# Altium PCB Kasli-DIOT.PCBDOC (part 8 of 21)
Units mm, origin at the board's own origin, x right, y up, seen from the top; angles counter-clockwise.
Board outline 222.34 x 100 mm, 10 copper layers (TopLayer, Layer 2, Layer 3, Layer 4, Layer 5, Layer 6, Layer 7, layer 8, Layer 9, BottomLayer), stack 1.564 mm thick; 974 components, 908 nets, 4662 pads, 2649 vias.
Unrouted connection lines stored in the file: 17.
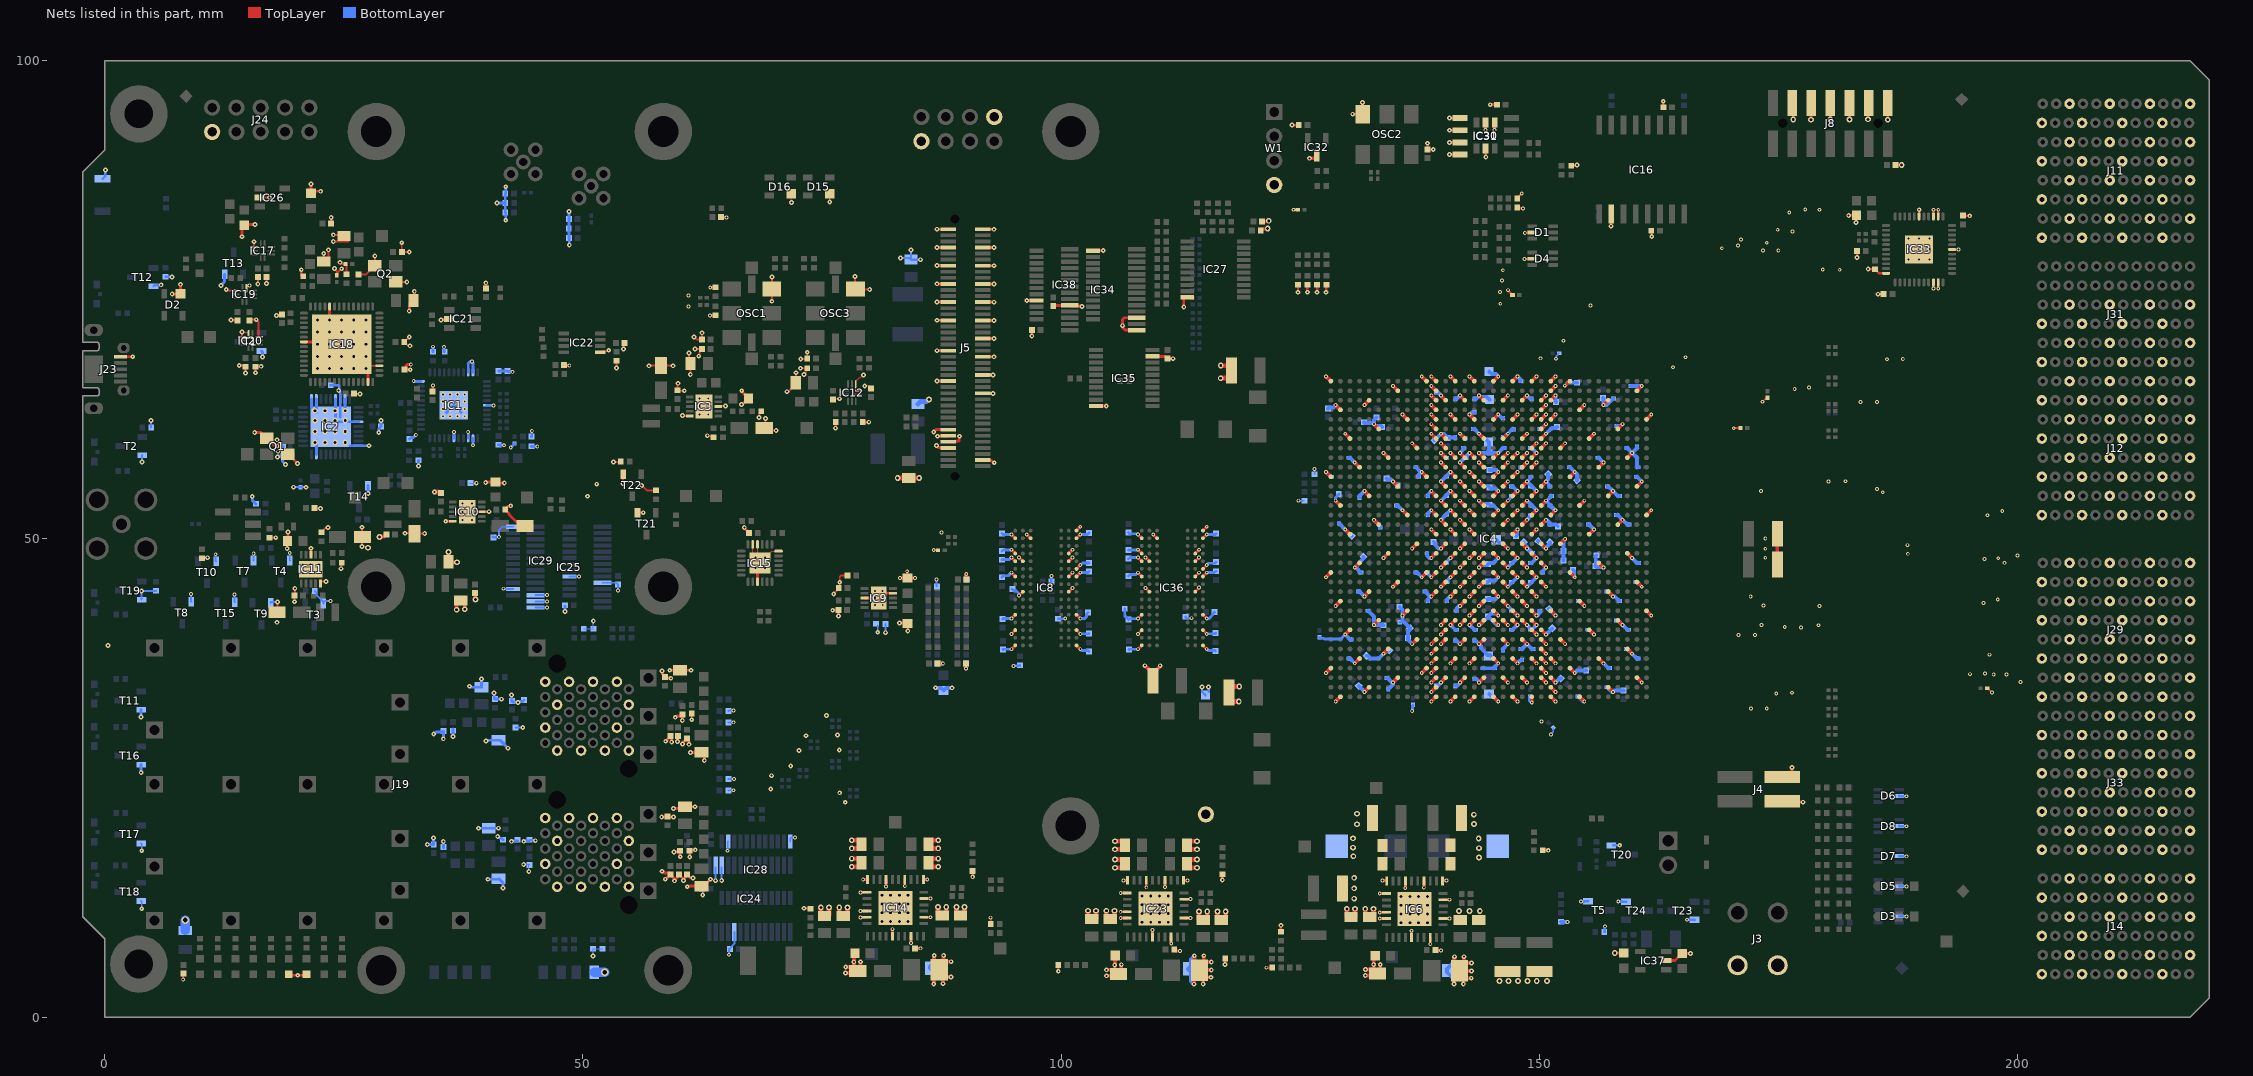
[diagram p16: the nets of this part, all layers, seen from the top]

## Via types
v1: diameter 0.4, hole 0.2, TopLayer to BottomLayer, tented both sides, 1661 vias
v2: diameter 0.5, hole 0.2, TopLayer to BottomLayer, tented both sides, 516 vias
v3: diameter 0.6, hole 0.3, TopLayer to BottomLayer, tented both sides, 175 vias
v4: diameter 0.6, hole 0.3, TopLayer to BottomLayer, 113 vias
v5: diameter 0.5, hole 0.2, TopLayer to BottomLayer, 110 vias
v6: diameter 0.4, hole 0.2, TopLayer to BottomLayer, 67 vias
v7: diameter 0.8, hole 0.5, TopLayer to BottomLayer, tented both sides, 7 vias

## Nets (pads, with @x,y where several pads share a name; then routed paths per layer and width w, separated by ;. In a path a pad name is that pad's centre, name@x,y a point inside that pad or via, vN(x,y) a via of type N, cw(c..) or ccw(c..) an arc to the next point about the centre after c; other vN are vias at no path point) (continued)
GND: C3.1 C9.2 C12.1 C13.2 C15.1 C16.1 C17.1 C18.1 C19.2 C22.1 C23.1 C24.1 C25.1 C26.1 C27.1 C28.1 C29.1 C30.2 C31.1 C32.2 C33.1 C34.1 C35.1 C36.1 C37.1 C38.1 C39.1 C40.1 C42.1 C43.1 C44.1 C45.2 C46.1 C47.1 C48.1 C49.1 C50.1 C52.1 C53.1 C55.1 C56.1 C57.1 C58.1 C59.1 C60.1 C61.1 C62.1 C64.1 C65.1 C66.1 C67.1 C68.1 C69.1 C75.1 C76.1 C78.1 C79.1 C80.1 C81.1 C82.1 C83.1 C84.1 C85.1 C86.1 C87.1 C88.1 C89.1 C90.1 C91.2 C92.1 C93.1 C94.1 C95.1 C96.1 C97.1 C98.1 C99.1 C101.1 C102.1 C103.1 C104.1 C105.1 C106.1 C107.1 C108.1 C109.1 C110.1 C111.1 C112.1 C113.1 C114.1 C115.1 C116.1 C117.1 C118.1 C119.1 C120.1 C121.1 C122.1 C123.1 C124.1 C125.1 C126.1 C127.1 C128.1 C129.1 C130.1 C131.1 C132.1 C133.1 C134.1 C135.1 C136.1 C137.1 C138.1 C139.1 C140.1 C143.1 C144.1 C145.1 C146.1 C147.1 C148.1 C149.1 C150.1 C151.1 C152.1 C153.1 C154.1 C155.1 C156.1 C158.1 C160.1 C161.1 C162.1 C163.1 C164.1 C165.1 C166.1 C167.1 C168.1 C169.1 C170.1 C171.1 C172.1 C173.1 C174.1 C175.1 C176.1 C177.1 C178.1 C179.1 C180.1 C181.1 C182.1 C183.1 C184.1 C185.1 C186.1 C187.1 C190.1 C191.1 C192.1 C193.1 C194.1 C195.1 C196.1 C197.1 C198.1 C199.1 C200.2 C201.2 C202.1 C203.2 C204.1 C205.1 C206.1 C207.1 C208.1 C209.1 C210.1 C211.1 C212.1 C213.1 C214.1 C215.1 C216.1 C217.1 C218.1 C219.1 C220.2 C221.1 C222.1 C223.1 C224.1 C225.2 C226.1 C227.1 C234.1 C235.1 C238.1 C239.1 C240.1 C241.1 C242.1 C243.1 C244.1 C245.2 C259.1 C260.1 C261.1 C262.1 C263.1 C264.1 C265.1 C266.1 C267.1 C268.1 C269.1 C270.1 C271.1 C272.1 C273.1 C274.1 C275.1 C276.1 C277.1 C278.1 C279.1 C280.1 C281.1 C286.2 C287.1 C288.1 C289.1 C290.1 C291.1 C292.1 C293.1 C295.2 C296.1 C297.2 C298.1 C299.1 C300.2 C301.1 C302.1 C303.1 C304.1 C305.1 C306.1 C307.1 C308.1 C309.1 C310.1 C311.1 C312.1 C313.1 C314.1 C315.1 C316.1 C317.1 C318.1 C319.1 C320.1 C321.1 C322.1 C323.1 C324.1 C325.1 C326.1 C327.1 C328.1 C329.1 C330.1 C331.1 C332.1 C333.1 C334.1 C335.1 C336.1 C337.1 C338.1 C340.1 C341.1 C342.1 C343.1 C344.1 C345.1 C346.2 C347.1 C348.1 C349.1 C350.1 C351.1 C352.1 C353.1 C354.1 C355.1 C356.1 C357.1 C358.1 C359.1 C360.1 C361.1 C362.2 C363.2 C364.2 C365.2 C366.1 C367.1 C368.1 C369.1 C370.1 C371.1 C372.1 C373.1 C374.1 C375.1 C376.1 C377.1 C378.1 C379.1 C380.1 C381.1 C382.1 C383.1 C384.1 C385.1 C386.1 C387.1 C388.1 C389.1 C390.1 C391.1 C396.2 C404.1 C406.1 C407.1 C408.1 C409.1 C412.1 C419.1 C420.1 C422.2 C423.1 C424.1 C425.1 C427.1 C428.1 C429.1 C430.1 C431.1 C432.1 C433.1 C451.1 C452.1 C453.1 C454.1 C455.1 C456.1 C457.1 C458.1 C459.1 C460.1 C461.1 C462.1 C463.1 C464.1 C465.1 C466.1 C467.1 C468.1 C469.1 C470.1 C471.1 C472.1 C473.1 C474.1 C475.1 C476.1 C477.1 C478.1 C480.1 C481.1 C482.1 C483.1 C484.1 C485.1 D1.2 D2.1 D3.2 D4.2 D5.2 D6.2 D7.2 D8.2 D15.1 D16.1 IC1.2 IC1.3 IC1.6 IC1.22 IC1.31 IC1.32 IC1.39 IC1.45 IC2.8 IC2.19 IC2.20 IC2.24 IC2.25 IC2.26 IC2.31 IC2.36 IC2.37 IC3.5 IC3.8 IC3.11 IC4.A1 IC4.A11 IC4.A12 IC4.A14 IC4.A16 IC4.A18 IC4.A20 IC4.A22 IC4.A24 IC4.A26 IC4.AA1 IC4.AA11 IC4.AA12 IC4.AA14 IC4.AA16 IC4.AA18 IC4.AA20 IC4.AA22 IC4.AA26 IC4.AB8 IC4.AB13 IC4.AB15 IC4.AB17 IC4.AB19 IC4.AB21 IC4.AB23 IC4.AB33 IC4.AC5 IC4.AC12 IC4.AC14 IC4.AC16 IC4.AC18 IC4.AC20 IC4.AC22 IC4.AC30 IC4.AD2 IC4.AD15 IC4.AD17 IC4.AD19 IC4.AD21 IC4.AD27 IC4.AE9 IC4.AE16 IC4.AE18 IC4.AE20 IC4.AE22 IC4.AE24 IC4.AE34 IC4.AF6 IC4.AF13 IC4.AF14 IC4.AF15 IC4.AF16 IC4.AF17 IC4.AF18 IC4.AF19 IC4.AF20 IC4.AF21 IC4.AF22 IC4.AF31 IC4.AG3 IC4.AG13 IC4.AG22 IC4.AG23 IC4.AG28 IC4.AH10 IC4.AH12 IC4.AH13 IC4.AH15 IC4.AH17 IC4.AH19 IC4.AH21 IC4.AH23 IC4.AH25 IC4.AJ7 IC4.AJ12 IC4.AJ23 IC4.AJ32 IC4.AK4 IC4.AK12 IC4.AK14 IC4.AK16 IC4.AK18 IC4.AK20 IC4.AK22 IC4.AK23 IC4.AK24 IC4.AK29 IC4.AL1 IC4.AL11 IC4.AL12 IC4.AL23 IC4.AL26 IC4.AM8 IC4.AM12 IC4.AM13 IC4.AM15 IC4.AM17 IC4.AM19 IC4.AM21 IC4.AM23 IC4.AM24 IC4.AM33 IC4.AN5 IC4.AN12 IC4.AN24 IC4.AN30 IC4.AP2 IC4.AP12 IC4.AP14 IC4.AP16 IC4.AP18 IC4.AP20 IC4.AP22 IC4.AP24 IC4.AP27 IC4.B8 IC4.B12 IC4.B24 IC4.B33 IC4.C5 IC4.C12 IC4.C13 IC4.C15 IC4.C17 IC4.C19 IC4.C21 IC4.C23 IC4.C24 IC4.C30 IC4.D2 IC4.D12 IC4.D23 IC4.D27 IC4.E9 IC4.E12 IC4.E14 IC4.E16 IC4.E18 IC4.E20 IC4.E22 IC4.E23 IC4.E24 IC4.E34 IC4.F6 IC4.F12 IC4.F23 IC4.F31 IC4.G3 IC4.G12 IC4.G13 IC4.G15 IC4.G17 IC4.G19 IC4.G21 IC4.G23 IC4.G28 IC4.H10 IC4.H13 IC4.H22 IC4.H23 IC4.H25 IC4.J7 IC4.J13 IC4.J14 IC4.J15 IC4.J16 IC4.J17 IC4.J18 IC4.J19 IC4.J20 IC4.J21 IC4.J22 IC4.J32 IC4.K4 IC4.K13 IC4.K15 IC4.K17 IC4.K19 IC4.K21 IC4.K22 IC4.K29 IC4.L1 IC4.L11 IC4.L14 IC4.L16 IC4.L18 IC4.L20 IC4.L26 IC4.M8 IC4.M13 IC4.M15 IC4.M17 IC4.M19 IC4.M21 IC4.M23 IC4.M33 IC4.N5 IC4.N12 IC4.N14 IC4.N16 IC4.N18 IC4.N20 IC4.N22 IC4.N30 IC4.P2 IC4.P13 IC4.P15 IC4.P17 IC4.P19 IC4.P21 IC4.P23 IC4.P27 IC4.R9 IC4.R12 IC4.R14 IC4.R16 IC4.R18 IC4.R20 IC4.R22 IC4.R24 IC4.R34 IC4.T6 IC4.T13 IC4.T15 IC4.T19 IC4.T21 IC4.T23 IC4.T31 IC4.U3 IC4.U12 IC4.U14 IC4.U16 IC4.U20 IC4.U22 IC4.U28 IC4.V10 IC4.V13 IC4.V15 IC4.V19 IC4.V21 IC4.V23 IC4.V25 IC4.W7 IC4.W12 IC4.W14 IC4.W16 IC4.W17 IC4.W18 IC4.W20 IC4.W22 IC4.W32 IC4.Y4 IC4.Y13 IC4.Y15 IC4.Y17 IC4.Y19 IC4.Y21 IC4.Y23 IC4.Y29 IC6.2 IC6.5 IC6.7 IC6.10 IC6.13 IC6.16 IC6.17 IC6.20 IC6.21 IC6.27 IC6.30 IC6.33 IC8.A9 IC8.B1 IC8.B3 IC8.B9 IC8.D1 IC8.D8 IC8.E1 IC8.E2 IC8.E8 IC8.F9 IC8.G1 IC8.G8 IC8.G9 IC8.J2 IC8.J8 IC8.M1 IC8.M9 IC8.P1 IC8.P9 IC8.T1 IC8.T9 IC9.4 IC9.8 IC9.11 IC10.5 IC10.8 IC10.11 IC11.5 IC11.8 IC11.11 IC12.2 IC12.3 IC14.2 IC14.5 IC14.7 IC14.10 IC14.13 IC14.16 IC14.17 IC14.20 IC14.21 IC14.27 IC14.30 IC14.33 IC15.9 IC15.18 IC15.22 IC15.23 IC15.25 IC16.10 IC17.3 IC18.10 IC18.21 IC18.41 IC18.45 IC18.57 IC19.1 IC19.3 IC20.2 IC20.3 IC20.10 IC21.2 IC22.1 IC23.2 IC23.5 IC23.7 IC23.10 IC23.13 IC23.16 IC23.17 IC23.20 IC23.21 IC23.27 IC23.30 IC23.33 IC24.10 IC24.16 IC24.17 IC25.10 IC25.15 IC25.16 IC25.17 IC26.2 IC27.10 IC28.2 IC28.12 IC29.2 IC29.12 IC29.21 IC30.2 IC30.4 IC30.5 IC31.1 IC31.2 IC31.3 IC31.4 IC32.3 IC33.2 IC33.3 IC33.6 IC33.22 IC33.31 IC33.32 IC33.39 IC33.45 IC34.10 IC34.15 IC34.17 IC35.10 IC35.19 IC36.A9 IC36.B1 IC36.B3 IC36.B9 IC36.D1 IC36.D8 IC36.E1 IC36.E2 IC36.E8 IC36.F9 IC36.G1 IC36.G8 IC36.G9 IC36.J2 IC36.J8 IC36.M1 IC36.M9 IC36.P1 IC36.P9 IC36.T1 IC36.T9 IC37.2 IC38.12 IC38.21 J3.1 J3.2 J4.2 J4.4 J5.1 J5.2 J5.7 J5.8 J5.13 J5.14 J5.19 J5.20 J5.25 J5.26 J5.31 J5.32 J5.37 J5.42 J5.43 J5.49 J5.52 J5.55 J5.68 J5.70 J5.72 J5.74 J5.77 J8.1 J8.3 J8.5 J8.7 J8.9 J8.11 J11.A2 J11.A4 J11.A6 J11.A8 J11.C1 J11.C3 J11.C5 J11.C7 J11.D2 J11.D4 J11.D6 J11.D8 J11.F1 J11.F3 J11.F5 J11.F7 J11.G2 J11.G4 J11.G6 J11.G8 J11.I1 J11.I3 J11.I5 J11.I7 J11.J2 J11.J4 J11.J6 J11.J8 J11.L1 J11.L3 J11.L5 J11.L7 J12.A2 J12.A4 J12.A6 J12.A8 J12.C1 J12.C3 J12.C5 J12.C7 J12.D2 J12.D4 J12.D6 J12.D8 J12.F1 J12.F3 J12.F5 J12.F7 J12.G2 J12.G4 J12.G6 J12.G8 J12.I1 J12.I3 J12.I5 J12.I7 J12.J2 J12.J4 J12.J6 J12.J8 J12.L1 J12.L3 J12.L5 J12.L7 J14.A2 J14.A4 J14.A6 J14.C1 J14.C5 J14.D2 J14.D4 J14.D6 J14.F1 J14.F5 J14.G2 J14.G4 J14.G6 J14.I1 J14.I3 J14.I5 J14.J2 J14.J4 J14.J6 J14.L1 J14.L3 J14.L5 J19.LB1 J19.LB10 J19.LB11 J19.LB14 J19.LB17 J19.LB20 J19.LT1 J19.LT10 J19.LT11 J19.LT14 J19.LT17 J19.LT20 J19.RB1 J19.RB10 J19.RB11 J19.RB14 J19.RB17 J19.RB20 J19.RT1 J19.RT10 J19.RT11 J19.RT14 J19.RT17 J19.RT20 J23.5 J24.10 J29.A2 J29.A4 J29.A6 J29.A8 J29.C1 J29.C3 J29.C5 J29.C7 J29.D2 J29.D4 J29.D6 J29.D8 J29.F1 J29.F3 J29.F5 J29.F7 J29.G2 J29.G4 J29.G6 J29.G8 J29.I1 J29.I3 J29.I5 J29.I7 J29.J2 J29.J4 J29.J6 J29.J8 J29.L1 J29.L3 J29.L5 J29.L7 J31.A2 J31.A4 J31.C1 J31.C3 J31.D2 J31.D4 J31.F1 J31.F3 J31.G2 J31.G4 J31.I1 J31.I3 J31.J2 J31.J4 J31.L1 J31.L3 J33.A2 J33.A4 J33.A6 J33.A8 J33.C1 J33.C3 J33.C5 J33.C7 J33.D2 J33.D4 J33.D6 J33.D8 J33.F1 J33.F3 J33.F5 J33.F7 J33.G2 J33.G4 J33.G6 J33.G8 J33.I1 J33.I3 J33.I5 J33.I7 J33.J2 J33.J4 J33.J6 J33.L1 J33.L3 J33.L5 J33.L7 L5.1 LD9.1 LD10.1 OSC1.3 OSC2.3 OSC3.3 Q1.2 Q1.4 Q2.2 Q2.4 R2.1 R7.2 R8.2 R9.1 R13.1 R17.1 R18.1 R19.1 R23.1 R24.1 R25.1 R26.1 R28.1 R29.1 R30.1 R32.1 R33.1 R37.1 R43.1 R45.1 R46.1 R47.1 R60.1 R64.1 R68.2 R70.2 R99.1 R100.1 R125.2 R129.1 R130.1 R140.1 R141.1 R153.1 R154.2 R155.1 R157.1 R166.1 R167.1 R168.1 R169.1 R172.1 R173.1 R193.1 R199.1 R201.1 R208.1 R211.1 R213.1 R214.1 R215.1 R222.1 R223.1 R227.1 R243.1 R246.1 R247.1 R251.1 R252.2 R255.1 R256.2 R261.1 R304.1 R305.1 SW1.2 T1.2 T2.2 T3.2 T4.2 T5.2 T7.2 T8.2 T9.2 T10.2 T11.2 T12.2 T13.2 T14.2 T15.2 T16.2 T17.2 T18.2 T19.2 T20.2 T21.2 T22.2 T23.2 T24.2 TP28.1 TP33.1 TP35.1 W1.4 | length 961.4
  TopLayer w0.095: C296.1@21.925,53.173 21.943,53.191 v2(22.553,53.191)
  TopLayer w0.125: v2(14.34,71.635) 15.01,71.635 15.04,71.605 IC20.2@15.04,71.439 ; R13.1@17.221,50.133 R13.1@17.221,50.133 ; IC15.23@67.75,49.429 67.75,48.229 68.25,47.729 IC15.25@68.5,47.479 69.75,48.729 IC15.18@70.45,48.729 ; v2(71.8,85.175) D16.1@71.8,86.1 ; v2(75.8,85.225) D15.1@75.8,86.1 ; C29.1@76.125,64.7 76.164,64.661 v2(76.834,64.661) ; IC12.2@78.839,65.514 IC12.2@78.825,65.5 78.574,65.5 78.539,65.535 78.539,66.186 IC12.3@78.525,66.2 78.525,66.5 78.866,66.841 79.016,66.841 v2(79.325,67.15) ; v2(79.464,66.003) 79.469,65.997 79.999,65.997 C28.1@80.236,65.761
  TopLayer w0.127: IC15.25@68.25,47.729 IC15.22@68.25,49.429
  TopLayer w0.15: IC19.3@13.705,75.965 IC19.3@13.978,75.965 ; IC19.1@14.805,76.215 14.805,76.472 14.828,76.495 15.145,76.495 v6(15.15,76.5)
  TopLayer w0.2: v1(8.2,3.95) 8.2,4.525 C396.2@8.225,4.55 ; v2(12.7,76.075) 12.81,75.965 IC19.3@13.705,75.965 ; v2(14.065,68.14) 14.595,68.14 C218.1@14.732,68.003 14.702,67.973 v2(14.702,67.347) ; IC20.3@14.34,71.139 v2(14.34,71.635) ; C215.1@15.113,72.929 v2(15.844,72.929) 16.075,72.698 16.075,71.204 IC20.10@16.14,71.139 ; IC17.3@15.6,80.547 v2(15.6,81.075) ; v2(15.752,67.381) 15.752,68.051 15.754,68.05 v2(16.353,68.05) ; v2(16.002,76.663) C217.1@16.002,77.501 ; IC26.2@16.2,85.7 v2(17.225,85.7) ; v2(16.922,76.712) C293.1@16.922,77.405 ; R13.1@17.221,50.133 v2(17.875,50.135) ; C13.2@18,42.337 18.05,42.387 v2(18.05,43.412) ; v2(19.85,43.437) C15.1@19.85,44.087 19.875,44.112 v2(19.875,44.812) ; C211.1@22.331,79.18 22.9,79.18 v2(22.9,79.85) ; IC11.5@22.55,45.337 22.6,45.387 22.6,45.545 v2(23.127,45.545) ; R25.1@22.67,50.695 23.122,51.147 23.295,51.147 v2(23.353,51.204) ; C211.1@23.4,78.937 v2(23.4,80.232) ; v2(23.9,81.1) 25.491,81.1 24.791,81.8 v2(23.9,81.8) ; v2(24.025,78.275) 24.025,78.24 24.257,78.008 ; v2(24.583,78.923) 24.765,78.74 C210.1@25.177,78.74 ; v2(24.711,46.892) 24.742,46.924 R252.2@24.742,47.484 ; v2(24.775,78.25) 24.491,77.966 ; R199.1@25.273,77.686 C210.1@25.273,78.644 ; C409.1@25.85,65.1 25.9,65.15 v2(26.675,65.15) ; C208.1@26.543,77.666 27.329,77.666 Q2.2@28.237,78.574 v2(28.237,79.586) ; v2(26.9,49.225) 26.9,50.175 C45.2@26.95,50.225 26.9,50.275 v2(26.9,51.225) ; IC18.57@27.015,68.108 IC18.45@28.715,68.108 IC18.45@28.715,68.158 ; Q2.4@30.437,76.874 v2(31.584,76.874) ; v2(31.057,80.968) C207.1@31.057,80.01 v2(31.835,80.01) ; v2(31.4,50.6) 32.35,50.6 C225.2@32.4,50.55 32.425,50.575 v2(33.45,50.575) ; v2(31.836,71.112) 31.811,71.112 C222.1@31.311,70.612 31.673,70.25 31.854,70.25 v2(31.912,70.193) ; v2@39.806,76.819 v2(39.841,76.784) ; C216.1@40.03,76.34 C216.1@40.045,76.325 ; IC22.1@51.8,69.525 51.9,69.625 52.484,69.625 52.664,69.805 v2@52.746,69.805 ; v2(53.2,58.05) 53.88,58.05 R46.1@53.93,58.1 ; v2(53.5,67.875) R208.1@53.5,68.63 ; v2(54.2,55.8) T22.2@54.2,56.75 ; v2(54.25,69.875) C221.1@54.25,70.5 ; T21.2@55.7,52.75 v2(56.3,52.75) ; v2(56.15,55.6) 56.679,55.07 R33.1@57.65,55.07 ; v2(56.9,68.1) 56.95,68.15 C9.2@58.15,68.15 59.35,68.15 v2(59.4,68.1) ; v2(59.925,66.275) 59.905,66.255 59.905,65.555 C12.1@59.9,65.55 59.95,65.5 v2(60.6,65.5) ; v2(60.4,62.9) 60.425,62.875 61.125,62.875 IC3.5@61.15,62.85 ; v2(61.075,69.45) 61.08,69.445 61.08,68.52 C288.1@61.25,68.35 61.25,67.225 v2(61.225,67.2) ; v5(61.375,31.1) C276.1@61.374,31.743 ; v2(61.608,71.111) 61.614,71.111 61.875,70.85 C226.1@62.45,70.85 v2(62.45,71.55) ; v2(61.725,69.85) C287.1@62.45,69.85 62.24,69.64 62.24,69.563 62.2,69.523 62.2,69.378 62.165,69.343 62.165,69.168 v2(62.108,69.111) ; v2(63,60.8) 63.057,60.742 63.538,60.742 R251.1@63.65,60.63 ; IC3.8@64.15,63.85 64.175,63.875 64.875,63.875 v2(64.9,63.9) ; v2(68.4,62.7) 68.457,62.757 68.457,63.187 R28.1@68.62,63.35 ; v2(69.1,62.6) 69.1,61.75 C19.2@68.95,61.6 69.2,61.35 v2(70.2,61.35) ; v2(69.75,74.85) OSC1.3@69.75,76.14 69.75,77.375 v2(69.775,77.4) ; v2(71.325,65.4) 71.475,65.4 71.825,65.75 71.825,65.789 C289.1@72.025,65.989 ; v2(72.275,67.375) 72.275,66.375 C289.1@72.25,66.35 ; C289.1@72.666,65.834 72.511,65.989 C289.1@72.025,65.989 ; v2(72.75,67.85) C290.1@73.45,67.85 73.3,67.7 73.3,67.458 73.108,67.267 v2(73.108,67.186) ; v2(72.775,68.825) 73.425,68.825 C291.1@73.45,68.85 v2(73.45,69.525) ; v5(73.125,11.384) 73.155,11.355 73.748,11.355 R64.1@73.777,11.325 ; v2(76.107,42.545) 76.69,42.545 C172.1@76.719,42.575 v2(76.72,41.956) ; v2(76.219,44.25) 76.844,44.875 v2(76.844,45.475) 76.844,46.044 76.975,46.175 C162.1@77.675,46.175 ; v2(78.45,77.45) 78.45,76.165 78.5,76.115 78.521,76.136 78.582,76.075 v2(79.975,76.075) ; v6(86.68,48.842) 86.689,48.834 87.116,48.834 C422.2@87.125,48.825 ; C477.1@90.075,45.777 C477.1@90.09,45.762 ; v6(92.625,10.4) 92.64,10.385 92.64,9.765 R157.1@92.655,9.75 ; v2(124.75,75.8) 124.75,76.575 cw(c124.785,76.575) R166.1@124.76,76.6 ; v2(138.3,91.375) 138.3,90.738 C238.1@138.305,90.733 138.313,90.725 v2(138.9,90.725) ; v6(148.45,79.275) 148.462,79.287 149.237,79.287 D4.2@149.25,79.3 ; v6(148.475,82) 148.5,82.025 149.225,82.025 D1.2@149.25,82.05 ; v1(170.325,61.575) cw(c170.385,61.515) 170.385,61.6 C297.2@171.025,61.6 ; v1(173.323,64.347) 173.647,64.671 cw(c173.842,64.476) C300.2@173.842,64.752 ; C295.2@196.825,34.4 196.85,34.4 197.294,33.956 v1(197.339,33.956) ; 24.257,78.008 24.299,77.966 24.491,77.966 ; 24.257,78.008 C212.1@24.257,77.566 24.357,77.666 24.357,77.832 24.491,77.966 ; C289.1@72.025,65.989 72.25,66.214 C289.1@72.25,66.35 ; C289.1@72.025,65.989 71.889,65.989 C289.1@72.25,66.35
  TopLayer w0.22: IC8.A9@101.597,50.875 IC8.A9@101.6,50.875 ; IC36.A9@114.822,50.875 IC36.A9@114.825,50.875
  TopLayer w0.254: v2(13.2,72.886) 13.23,72.855 13.845,72.855 C219.1@13.875,72.825 ; C213.1@23.675,83 v5(23.675,83.6) ; C53.1@64.445,83.645 64.455,83.635 64.99,83.635 v1(65,83.625) ; v2(76.418,61.582) 76.43,61.595 R246.1@76.43,62.225 R246.1@76.443,62.237 ; R247.1@79.233,62.237 R247.1@79.245,62.225 79.875,62.225 v2(79.888,62.212) ; R47.1@90.725,15.285 90.738,15.272 90.738,14.687 v2(90.75,14.675) ; v2(99.7,4.8) 99.707,4.807 99.707,5.439 R60.1@99.715,5.446 ; v2(117.125,5.5) 117.142,5.517 117.142,6.108 R153.1@117.16,6.126 ; v1(121.45,5.175) R18.1@122.055,5.175 ; v2(122.975,9.6) 122.981,9.594 122.981,8.931 R37.1@122.986,8.925 ; v5(124.124,93.279) 124.133,93.27 124.831,93.27 C196.1@124.84,93.262 ; v2(125.75,75.8) 125.75,76.575 cw(c125.785,76.575) 125.755,76.593 cw(c125.785,76.575) R167.1@125.76,76.6 ; v2(126.75,75.8) ccw(c126.725,75.825) 126.76,75.825 R168.1@126.76,76.6 ; v2(127.702,75.8) 127.702,76.46 cw(c127.901,76.46) 127.731,76.563 cw(c127.901,76.46) R169.1@127.76,76.6 ; v2(140.6,90.2) 141.695,90.2 IC31.4@141.7,90.195 ; v2(140.603,91.468) 141.698,91.468 IC31.3@141.7,91.465 IC31.3@141.703,91.463 ; v2(140.603,92.738) 141.698,92.738 IC31.2@141.7,92.735 IC31.2@141.703,92.733 ; v2(140.603,94.008) 141.698,94.008 IC31.1@141.7,94.005 IC31.1@141.703,94.003 ; IC30.2@144.375,90.825 144.387,90.813 144.387,89.942 v2(144.398,89.93) ; v1(146.708,76.011) ccw(c146.759,76.011) 146.723,75.975 C203.2@147.2,75.498 ; R172.1@147.675,84.643 147.74,84.578 148.272,84.578 v1(148.3,84.55) ; R173.1@147.675,85.618 147.675,85.638 148.154,86.118 v1(148.156,86.118) ; R43.1@153.333,89.015 153.357,89.04 153.825,89.04 v2@153.85,89.065 ; v2(157.488,82.705) 157.5,82.718 157.5,83.4 IC16.10@157.509,83.409 ; C204.1@161.7,82.225 161.725,82.2 161.725,81.65 v5(161.75,81.625) ; v2(162.953,95.763) 162.955,95.761 162.955,95.138 C161.1@162.956,95.136 ; v2(182.337,83.825) 183.125,83.825 C406.1@183.15,83.85 183.116,83.816 v2(183.116,83.087) ; v2(183.213,79.43) 183.225,79.443 C404.1@183.225,80.125 C404.1@183.234,80.134 ; v2(184.38,78.212) 184.393,78.2 C408.1@185.075,78.2 185.491,77.784 186.241,77.784 IC33.22@186.25,77.775 ; v2(185.396,75.595) 185.411,75.61 185.965,75.61 R155.1@185.98,75.625 ; IC33.6@189.691,83.716 IC33.6@189.7,83.725 189.7,84.407 v2(189.712,84.42) ; IC33.3@191.191,83.716 IC33.3@191.2,83.725 191.2,84.407 v1(191.212,84.42) ; IC33.31@191.2,76.825 IC33.31@191.2,76.825 191.201,76.184 v1(191.202,76.183) ; IC33.2@191.691,83.716 IC33.2@191.7,83.725 191.7,84.407 v1(191.712,84.42) ; IC33.32@191.7,76.825 191.702,76.823 v1(191.702,76.183) ; IC33.39@193.15,80.275 193.157,80.268 193.813,80.268 v1(193.82,80.26) ; C407.1@194.291,83.809 C407.1@194.3,83.8 194.982,83.8 v2(194.995,83.788)
  TopLayer w0.3: J23.5@1.804,69.05 v2(2.925,69.05) ; v2(7.052,75.623) D2.1@7.922,75.623 v5(7.922,76.625) ; R214.1@10.173,48.005 10.191,48.023 10.729,48.023 v2(10.747,48.041) ; v2(14.35,81.6) 14.35,82.475 14.575,82.7 C202.1@14.6,82.7 ; C202.1@14.6,82.875 v2(15.7,82.875) ; v2@15.675,61.13 v2(15.675,61.125) 16.349,61.125 Q1.2@16.934,60.54 17.784,59.69 ; v2(17.95,73.375) C223.1@18.542,73.375 ; 18.284,59.69 Q1.4@19.134,58.84 19.21,58.84 v2(20.15,57.9) ; v2(19.075,49) 19.075,49.75 C17.1@19.125,49.8 19.146,49.821 v2(19.146,50.72) ; LD10.1@19.177,4.382 v2(20.182,4.382) LD9.1@21.04,4.382 ; v2(20.55,78.15) 20.55,77.659 R201.1@20.739,77.47 ; IC18.21@20.815,70.608 IC18.57@24.515,70.608 ; IC11.8@21.55,48.337 v5(21.55,49.025) ; v2(21.575,87.1) 21.575,86.22 21.704,86.35 v2(22.575,86.35) ; IC18.57@23.515,71.608 IC18.10@23.515,74.308 ; IC18.41@27.515,66.408 IC18.57@27.515,67.608 ; v2(31.826,73.847) 31.864,73.885 31.864,74.314 31.894,74.344 31.894,74.555 C206.1@32.269,74.93 ; v2(31.938,67.691) 31.921,67.708 31.342,67.708 C224.1@31.325,67.725 31.485,67.885 31.485,68.122 31.592,68.229 31.981,68.229 v1(32,68.248) ; C206.1@32.169,74.93 32.371,75.132 v2(32.371,75.891) ; C49.1@34.125,65.45 34.149,65.45 34.299,65.6 34.299,66.014 v1(34.318,66.033) ; v2(35.15,72.898) 35.188,72.936 35.936,72.936 IC21.2@36,73 ; v2(35.65,51.85) IC10.5@36.4,51.85 ; IC10.8@39.4,52.85 40.182,52.85 v2(40.188,52.856) ; v2(39.841,76.784) 39.86,76.765 39.86,76.219 C216.1@39.879,76.2 ; v2@39.879,55.9 39.954,55.975 C279.1@40.85,55.975 40.975,55.85 v2(41.775,55.85) ; v2(42.45,53.463) 42.412,53.424 42.174,53.424 41.87,53.12 R255.1@41.87,53.1 41.87,53.08 42.273,52.677 42.273,52.557 43.005,51.825 43.475,51.825 C286.2@43.95,51.35 ; C220.2@48.032,68.183 48.071,68.144 48.556,68.144 v1(48.575,68.125) ; v2(58.227,20.929) 58.245,20.947 58.852,20.947 58.855,20.95 58.858,20.946 59.442,20.946 v2(59.461,20.928) ; v2(58.251,36.189) 58.289,36.151 58.289,35.911 58.44,35.76 58.44,35.685 58.656,35.469 59.153,35.469 v2(59.188,35.434) ; v2(58.267,15.258) 58.304,15.258 58.502,15.06 58.99,15.06 59.1,14.95 59.1,14.85 58.715,14.465 58.642,14.465 v2(58.604,14.426) ; v2(58.65,28.85) 59.145,29.345 59.145,29.495 59.15,29.5 59.15,29.475 59.275,29.35 v2(59.275,28.775) ; v2(59.075,36.275) 60.125,36.275 C264.1@60.15,36.25 60.175,36.275 v2(61.3,36.275) ; C277.1@59.15,14.9 59.525,14.525 59.525,14.297 v2(59.563,14.259) 59.563,14.313 59.885,14.635 C281.1@59.885,14.907 ; v2(59.475,21.825) 60.475,21.825 C280.1@60.65,22 v2(61.7,22) ; v2(59.533,17.283) 59.571,17.322 60.072,17.322 C244.1@60.15,17.4 60.163,17.387 60.163,16.788 v2(60.175,16.775) ; v2(59.65,31.35) 59.704,31.35 59.844,31.49 60.24,31.49 C259.1@60.4,31.65 60.4,31.025 v2(60.392,31.017) ; v2(59.875,28.825) 59.9,28.85 C263.1@59.9,29.5 ; C281.1@60.045,14.907 60.463,14.489 60.463,14.314 v2(60.502,14.275) ; v2(60.4,28.55) 60.438,28.588 60.438,28.688 C261.1@60.9,29.15 61.06,28.99 61.06,28.88 61.1,28.84 v2(61.1,28.525) ; v2@60.54,14.475 60.9,14.835 C275.1@60.9,14.9 61.212,14.588 61.462,14.588 v2(61.5,14.55) ; v2(60.908,13.633) 60.962,13.633 61.029,13.7 C274.1@62.4,13.7 62.6,13.7 v2(63.325,14.425) ; v2(61.169,16.755) 61.159,16.764 61.159,17.366 61.253,17.46 61.703,17.46 v2(61.742,17.498) ; v2(61.25,27.675) 61.259,27.684 62.384,27.684 C260.1@62.4,27.7 62.689,27.411 v2(62.689,26.844) ; v1(63.284,73.365) 63.303,73.384 63.833,73.384 R304.1@63.854,73.405 ; v1(63.311,76.298) 63.33,76.317 R305.1@63.86,76.317 R305.1@63.881,76.338 ; v2(66.575,64.06) 66.613,64.098 66.698,64.098 66.925,64.325 66.975,64.325 C16.1@67.3,64.65 ; v2(66.6,65.5) 66.638,65.461 66.638,65.362 66.925,65.075 66.975,65.075 C16.1@67.3,64.75 ; v2(66.869,51.2) 66.869,51.151 C198.1@67.378,50.642 ; IC15.9@68.25,45.529 IC15.25@68.25,47.229 ; v1(79.022,10.434) 79.03,10.442 IC14.21@79.712,10.442 ; v1(79.022,11.092) 79.03,11.1 IC14.20@79.712,11.1 ; v1(79.022,13.05) 79.03,13.058 IC14.17@79.712,13.058 ; v1(79.3,14.4) 79.75,14.4 IC14.16@79.75,14.388 ; IC9.8@79.419,43.825 v5(80.519,43.825) IC9.11@80.919,43.825 ; IC9.11@81.419,44.325 IC9.4@82.419,44.325 ; v1(81.7,13.675) IC14.13@81.7,14.388 ; IC14.27@82.35,8.463 v1(82.35,9.2) ; v2(83.11,41.217) 83.88,41.217 83.97,41.127 v2(83.97,40.364) ; v1(83.144,45.925) C174.1@83.7,45.925 ; v1(83.65,13.7) IC14.10@83.65,14.388 ; C174.1@83.9,46.067 v1(83.9,46.624) ; C174.1@84.165,45.911 v1(84.722,45.911) ; IC14.30@84.3,8.463 84.3,7.78 v1(84.308,7.772) ; C366.1@84.725,7.175 84.738,7.188 85.288,7.188 v1(85.3,7.2) ; IC14.7@85.6,14.388 85.6,14.4 v1(86,14.4) ; IC14.2@85.637,10.442 86.32,10.442 v1(86.328,10.45) ; IC14.5@85.637,12.408 86.32,12.408 v1(86.328,12.416) ; v2(86.68,61.19) 86.917,61.427 J5.68@88.2,61.427 ; v2(86.975,59.766) 86.975,59.746 87.149,59.572 88.15,59.572 J5.74@88.2,59.522 ; v5(87.025,66.515) 87.029,66.511 88.196,66.511 J5.52@88.2,66.507 ; v5(87.025,69.69) 87.029,69.686 88.196,69.686 J5.42@88.2,69.682 ; v5(87.025,72.865) 87.029,72.861 88.196,72.861 J5.32@88.2,72.857 ; v5(87.025,74.77) 87.029,74.766 88.196,74.766 J5.26@88.2,74.762 ; v5(87.025,76.675) 87.029,76.671 88.196,76.671 J5.20@88.2,76.667 ; v5(87.025,78.58) 87.029,78.576 88.196,78.576 J5.14@88.2,78.572 ; v5(87.025,80.485) 87.029,80.481 88.196,80.481 J5.8@88.2,80.477 ; v5(87.025,82.39) 87.029,82.386 88.196,82.386 J5.2@88.2,82.382 ; v2(87.066,60.743) 87.09,60.768 88.175,60.768 J5.70@88.2,60.792 ; J5.72@88.2,60.157 88.25,60.207 88.982,60.207 89.026,60.251 89.295,60.251 89.337,60.293 89.337,60.705 v2(89.375,60.743) ; J5.43@91.796,69.051 J5.43@91.8,69.047 92.968,69.047 v5(92.971,69.044) ; J5.37@91.796,70.956 J5.37@91.8,70.952 92.968,70.952 v5(92.971,70.949) ; J5.31@91.796,72.861 J5.31@91.8,72.857 92.968,72.857 v5(92.971,72.854) ; J5.25@91.796,74.766 J5.25@91.8,74.762 92.968,74.762 v5(92.971,74.759) ; J5.19@91.796,76.671 J5.19@91.8,76.667 92.968,76.667 v5(92.971,76.664) ; J5.13@91.796,78.576 J5.13@91.8,78.572 92.968,78.572 v5(92.971,78.569) ; J5.7@91.796,80.481 J5.7@91.8,80.477 92.968,80.477 v5(92.971,80.474) ; J5.77@91.8,58.252 91.85,58.202 92.709,58.202 92.946,57.966 v2(93,57.966) ; J5.1@91.8,82.382 91.804,82.379 92.971,82.379 v5(92.975,82.375) ; J5.55@91.804,65.234 91.81,65.227 92.87,65.227 v5(92.88,65.217) ; J5.49@91.804,67.139 92.873,67.139 v5(92.876,67.136) ; v1(94.8,46.472) IC8.G1@95.2,46.072 ; v1(94.8,48.072) IC8.E1@95.2,47.672 ; v1(94.8,48.872) IC8.D1@95.2,48.472 ; v1(94.8,50.472) IC8.B1@95.2,50.072 ; v1(94.803,38.475) IC8.T1@95.203,38.875 ; v1(94.803,40.075) IC8.P1@95.203,40.475 ; v1(94.803,41.675) IC8.M1@95.203,42.075 ; v1(95.6,48.072) IC8.E2@96,47.672 ; v1(95.603,44.075) IC8.J2@96.003,44.475 ; v1(96.4,50.472) IC8.B3@96.8,50.072 ; v2(96.4,74.936) IC38.21@97.436,74.936 ; C192.1@96.931,71.852 C192.1@96.931,71.852 96.932,71.216 v2(96.933,71.215) ; C427.1@99.174,74.363 99.21,74.399 100.85,74.399 IC34.10@100.886,74.436 100.961,74.361 102.058,74.361 102.118,74.301 v2(102.172,74.301) ; IC8.G8@100.797,46.075 v1(101.197,46.475) ; IC8.E8@100.797,47.675 v1(101.197,48.075) ; IC8.D8@100.797,48.475 v1(101.197,48.875) ; IC8.J8@100.8,44.475 v1(101.2,44.875) ; IC8.G9@101.597,46.075 v1(101.997,46.475) ; IC8.F9@101.597,46.875 v1(101.997,47.275) ; IC8.B9@101.597,50.075 v1(101.997,50.475) ; IC8.A9@101.597,50.875 v1(101.997,51.275) ; IC8.T9@101.6,38.878 v1(102,38.478) ; IC8.P9@101.6,40.478 v1(102,40.078) ; IC8.M9@101.6,42.078 v1(102,41.678) ; IC38.12@103.336,80.136 103.346,80.145 104.386,80.145 v2(104.396,80.155) ; IC35.10@103.65,63.904 v2(104.709,63.904) ; v1(106.222,10.359) 106.23,10.367 IC23.21@106.913,10.367 ; v1(106.222,11.017) 106.23,11.025 IC23.20@106.913,11.025 ; v1(106.222,12.975) 106.23,12.983 IC23.17@106.913,12.983 ; v2(106.4,72.3) 106.438,72.261 106.438,72.093 106.676,71.855 IC34.15@107.867,71.855 ; v2(106.4,72.3) 106.4,72.96 106.576,73.136 IC34.17@107.886,73.136 ; v1(106.5,14.3) 106.95,14.3 IC23.16@106.95,14.313 ; v1(108.025,46.472) IC36.G1@108.425,46.072 ; v1(108.025,48.072) IC36.E1@108.425,47.672 ; v1(108.025,48.872) IC36.D1@108.425,48.472 ; v1(108.025,50.472) IC36.B1@108.425,50.072 ; v1(108.028,38.475) IC36.T1@108.428,38.875 ; v1(108.028,40.075) IC36.P1@108.428,40.475 ; v1(108.028,41.675) IC36.M1@108.428,42.075 ; v1(108.825,44.872) IC36.J2@109.225,44.472 ; v1(108.825,48.072) IC36.E2@109.225,47.672 ; IC23.13@108.9,14.313 108.9,13.578 v1(108.902,13.575) ; IC23.27@109.55,8.387 v1(109.55,9.1) ; IC35.19@109.55,69.104 109.593,69.061 110.893,69.061 C186.1@111.101,68.853 v2(111.7,68.853) ; v1(109.625,50.472) IC36.B3@110.025,50.072 ; v1(110.844,13.598) 110.85,13.604 IC23.10@110.85,14.313 ; IC23.30@111.5,8.387 111.5,7.705 v1(111.508,7.697) ; C367.1@111.825,7.075 111.969,6.931 112.4,6.931 v1(112.419,6.912) ; IC23.7@112.8,14.313 112.8,14.3 v1(113.2,14.3) ; v2@112.812,74.269 112.812,75.186 112.887,75.261 IC27.10@113.186,75.261 ; IC23.2@112.838,10.367 113.52,10.367 v1(113.528,10.375) ; IC23.5@112.838,12.333 113.52,12.333 v1(113.528,12.341) ; IC36.G8@114.022,46.075 v1(114.422,46.475) ; IC36.E8@114.022,47.675 v1(114.422,48.075) ; IC36.D8@114.022,48.475 v1(114.422,48.875) ; IC36.J8@114.025,44.478 114.025,44.502 114.404,44.881 114.404,44.955 v1@114.414,44.965 ; IC36.G9@114.822,46.075 v1(115.222,46.475) ; IC36.F9@114.822,46.875 v1(115.222,47.275) ; IC36.B9@114.822,50.075 v1(115.222,50.475) ; IC36.A9@114.822,50.875 v1(115.222,51.275) ; IC36.T9@114.825,38.878 v1(115.225,38.478) ; IC36.P9@114.825,40.478 v1(115.225,40.078) ; IC36.M9@114.825,42.078 v1(115.225,41.678) ; C193.1@120.866,82.239 121.026,82.399 121.444,82.399 121.505,82.461 v3(121.586,82.461) ; C292.1@120.981,83.042 121.141,83.202 121.558,83.202 121.62,83.264 v3(121.701,83.264) ; v6(124.275,84.425) C245.2@124.75,84.425 ; v2(130.478,94.412) OSC2.3@131.52,94.412 ; v2(131.5,95.643) 131.5,94.432 OSC2.3@131.52,94.412 ; OSC2.3@131.532,94.4 OSC2.3@131.52,94.412 ; v1(133.309,10.301) 133.318,10.309 IC6.21@134,10.309 ; v1(133.309,10.959) 133.318,10.967 IC6.20@134,10.967 ; v1(133.309,12.917) 133.318,12.925 IC6.17@134,12.925 ; v1(133.6,14.3) 134.037,14.3 IC6.16@134.037,14.255 ; v1(135.977,13.494) 135.988,13.504 IC6.13@135.988,14.255 ; IC6.27@136.637,8.33 136.637,9.03 v1(136.643,9.035) ; v1(137.916,13.541) 137.916,13.568 137.938,13.589 IC6.10@137.938,14.255 ; IC6.30@138.588,8.33 138.588,7.647 v1(138.596,7.639) ; C36.1@139.125,7.025 139.156,6.994 139.681,6.994 v1(139.7,6.975) ; IC6.7@139.888,14.255 139.888,14.3 v1(140.3,14.3) ; IC6.2@139.925,10.309 140.607,10.309 v1(140.616,10.317) ; IC6.5@139.925,12.275 140.607,12.275 v1(140.616,12.283) ; IC30.5@144.375,93.525 144.377,93.523 144.377,92.761 v1(144.379,92.759) ; v2(144.867,95.41) C307.1@145.454,95.41 ; v1(145.313,92.764) 145.319,92.77 145.319,93.519 IC30.4@145.325,93.525 ; v3(157.881,6.698) 158.793,6.698 C420.1@158.81,6.715 ; IC37.2@163.26,5.915 164.171,5.915 164.583,6.327 164.583,6.352 164.908,6.677 C419.1@164.933,6.677 164.957,6.652 v2(165.8,6.652) ; J4.4@175.397,22.57 175.484,22.482 v2(177.575,22.482) ; J4.2@175.397,25.11 175.915,25.11 176.4,25.595 v2(176.4,26.1) ; J8.11@176.425,95.575 176.55,95.45 v4(176.55,93.85) ; v4(178.4,93.825) 178.4,95.55 J8.9@178.425,95.575 ; v4(180.425,93.875) J8.7@180.425,95.575 ; v4(182.425,93.85) J8.5@182.425,95.575 ; v4(184.35,93.875) 184.35,95.5 J8.3@184.425,95.575 ; v4(186.425,93.825) J8.1@186.425,95.575 ; C52.1@187.226,89.081 187.235,89.091 187.866,89.091 v4(187.875,89.1)